# KiCad board OBC-Flight.kicad_pcb (continued)
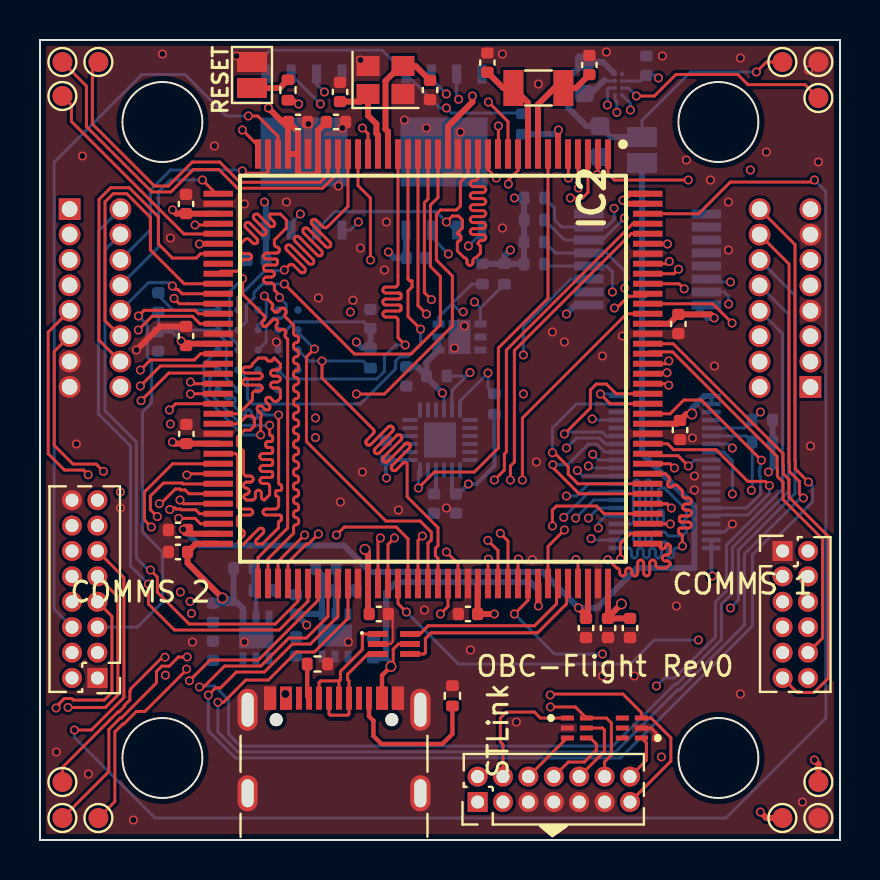
[diagram p0: board, top side]
## Routing (per net, layer and track width the routed paths; a pad name or vN(x,y) marks a point on that pad's centre or on a via; arc(x,y) is an arc through that point)
+1V8: length 101.2
  Top w0.3: IC2.39 7.31,31.31 C14.1 6.82,31.32 v1(6.63,31.51) ; IC2.108 C19.1 ; C19.1 28.4,11.13 v2(29.07,11.8) ; C19.1 C11.1 ; v1(25.92,35.5) 25.9,35.48 IC2.6 ; v2(9.12,12.1) 7.38,13.84 C17.1 7.79,14.81 IC2.72 ; v2(32.59,21.3) 32.32,21.3 C20.1 31.83,20.81 IC2.121 ; v1(6.62,19.9) 6.7,19.82 C16.1 8.9,19.82 IC2.62 ; v1(33.71,26.1) 33.53,26.28 C21.1 31.45,25.81 IC2.131 ; v1(21.62,37.2) 21.62,36.9 20.4,35.68 IC2.17 ; v1(11.42,36.6) 12.12,35.9 C13.1 ; IC2.144 29.46,32.31 v1(29.14,31.99) 29.32,31.81 IC2.143 ; IC2.32 12.9,33.31 12.94,33.27 12.95,33.27 12.96,33.26 13.78,33.26 13.9,33.38 IC2.30 13.9,35.48 C12.1 ; IC2.32 IC2.33 12.4,35.88 C13.1 ; IC2.32 12.9,35.42 C13.1 ; TP7.1 36.32,1.1 v1(36.02,1.4) ; v2(16.25,14.53) 16.4,14.38 IC2.84 16.4,11.36 C18.1 ; IC2.52 7.39,24.81 C15.1 7.07,24.95 v1(7.06,24.95)
  Bottom w0.15: C7.1 16.18,25.91 12.73,25.91 12.32,25.5 IC6.B4 ; v1(30.92,38.1) 30.78,38.24 C33.2 30.03,37.95 IC9.C2 ; v1(20.12,22.35) 20.2,22.27 IC4.22 ; v1(7.06,24.95) 6.61,25.4 C6.1 ; IC9.B1 28.42,37.6 28.37,37.55 v1(28.37,36.75) ; C6.1 5.92,25.42 C8.1 ; C6.1 6,25.5 IC6.E4 8.9,25.32 9.31,24.91 9.31,23.09 IC6.D1
  Bottom w0.2: v1(17.32,18.1) 17.3,18.12 C1.2 IC4.13 ; IC4.8 20.6,17.5 C2.2 20.92,17.3 v1(21.42,17.8) 21.82,17.8 22.72,18.7 R11.1 ; J1.38 J1.40
  Bottom w0.3: J1.40 33.22,22.2 32.59,21.57 v2(32.59,21.3) ; 9.88,11.84 C29.2 ; 9.88,11.84 10.15,11.57 IC8.1 ; 9.88,11.84 9.68,12.04 ; IC1.5 IC1.4 19.32,23.9 R12.1 ; 32.72,26.75 33.37,26.1 v1(33.71,26.1) ; v1(23.72,32.1) R1.1 24.21,29.91 R4.1 R3.1 24.19,28.81 R14.1 ; C7.1 R19.1 16.11,24.61 v1(15.82,24.9) ; R13.1 R14.1 ; R14.1 23.22,29.2 v1(23.52,29.5) ; R20.1 25.71,35.29 v1(25.92,35.5) ; R12.1 19.32,23.15 v1(20.12,22.35) ; R12.1 18.86,23.66 C4.1 ; 9.68,12.04 9.18,12.04 v2(9.12,12.1) ; 9.68,12.04 R7.1 ; v1(17.42,29.4) 17.72,29.1 C5.1 18.3,29.12 IC5.8 ; v1(26.32,26.3) 26.77,26.75 IC3.1 ; C26.1 11.29,29.01 IC7.8 11.29,31.83 v1(11.22,31.9) ; R15.1 R16.1 36.63,18.61 v1(36.42,18.4)
+3.3V: length 23.2
  Top w0.3: v1(22.72,11.3) C32.1 21.88,12.8 IC2.95 ; TP8.1 38.92,3.8 v1(38.72,4)
  In6.Cu w0.2: v1(33.62,13.2) 33.62,10.55 36.82,7.35 37.65,7.35 J3.12
  In6.Cu w0.3: v1(38.72,4) 38.4,4.32 J3.12
  Bottom w0.2: J1.4 33.57,13.25 v1(33.62,13.2)
  Bottom w0.3: v1(13.33,10.75) 13.33,10.77 C28.2 14.08,11.3 IC10.1 14.1,13.27 R9.1
GND: length 11.4
  Top w0.1: C18.2 17.63,11.08 17.63,9.9 17.54,9.8 IC13.2
  Top w0.15: IC12.2 30.55,5.6 30.82,5.32 v1(30.82,5.1)
  Top w0.3: v1(4.82,24.5) 6,25.68 C15.2
  Bottom w0.15: IC6.E5 6.65,26.5 5.92,27.23 C8.2 ; v1(34.62,15.8) 34.22,15.4 J1.6
  Bottom w0.3: IC6.B3 11.9,24.82 v1(11.82,24.9)
  vias: v1(0.82,4.4) v1(1.82,19.8) v1(2.12,34.2) v1(2.42,3.3) v1(4.02,16.6) v1(4.67,1) v1(6.12,39.3) v1(6.52,30.1) v1(7.62,9.9) v1(8.72,34.7) v1(9.82,39.2) v1(10.22,31.8) v1(10.22,9.9) v1(12.32,31.9) v1(13.42,35.8) v1(13.92,27.1) v1(14.92,32.7) v1(15.02,16.9) v1(15.12,35.6) v1(15.42,9.9) v1(15.65,26.99) v1(16.02,39) v1(16.02,29.6) v1(16.12,18.4) v1(17.22,28.5) v1(17.32,30.9) v1(17.92,16.5) v1(18.22,36) v1(19.22,11.5) v1(19.32,35.6) v1(20.32,16.6) v1(20.72,24.6) v1(21.02,35.4) v1(21.22,25.7) v1(21.52,9.5) v1(23.12,39.3) v1(23.12,30.6) v1(23.82,5.9) v1(24.62,14.01) v1(24.82,18.9) v1(24.92,37.8) v1(25.62,25.4) v1(26.22,24.9) v1(28.12,24.2) v1(28.12,8.2) v1(28.32,39.4) v1(29.12,25.2) v1(29.72,8.2) v1(31.12,39.2) v1(31.82,11.7) v1(32.32,34) v1(32.62,20.1) v1(32.72,18.2) v1(32.72,17.5) v1(33.52,33) v1(33.72,23.7) v1(34.42,31.9) v1(34.42,29.5) v1(35.02,39.1) v1(35.02,7.3) v1(36.32,34.4) v1(38.12,1.9) v1(38.42,38.5) v1(38.52,19.7) v1(38.92,33.9)
VBUS: length 18.2
  Top w0.15: IC13.5 17.92,9.8 17.66,9.54 17.66,8.79 v2(17.55,8.68)
  Top w0.22: J7.A9 17.1,8.23 v2(17.55,8.68) ; J7.A4 12.3,7.27 v2(12.27,7.3)
  Top w0.3: IC2.101 24.92,12.8 v1(24.92,11.7)
  Bottom w0.22: 17.31,9.09 17.55,8.85 v2(17.55,8.68)
  Bottom w0.3: v1(24.92,11.7) 24.92,12.5 24.52,12.9 17.82,12.9 17.31,12.39 17.31,9.09 R17.2
CAM2_STANDBY: length 51
  Top w0.15: v1(6.7,27.08) 6.97,26.81 IC2.48
  In3.Cu w0.15: v1(6.7,27.08) 5.5,25.88 5.5,18.88 v1(4.02,17.4)
  In5.Cu w0.15: v1(34.62,17.3) 34.02,16.7 32.42,16.7 31.82,17.3 30.42,17.3 27.62,14.5 27.47,14.5 26.97,15 24.04,15 23.24,15.8 19.06,15.8 17.91,14.65 16.83,14.65 16.38,15.1 16.04,15.1 15.44,14.5 11.07,14.5 8.07,17.5 4.12,17.5 v1(4.02,17.4)
  Bottom w0.15: v1(34.62,17.3) 34.62,18.96 34.18,19.4 J1.26
CAM_RESET: length 3.5
  Top w0.15: IC2.123 28.51,21.81 v1(28.02,22.3)
  Bottom w0.15: v1(28.02,22.3) 28.8,22.3 J1.39
CAM_STANDBY: length 17.9
  Top w0.15: v1(25.62,15.7) 25.62,16.5 25.82,16.7 27.82,16.7 28.21,16.31 IC2.112
  In5.Cu w0.15: v1(25.62,15.7) 25.62,16.2 26.12,16.7 28.76,16.7 31.66,19.6 v1(34.62,19.6)
  Bottom w0.15: v1(34.62,19.6) 34.42,19.8 J1.28
CAM_STROBE: length 9.3
  Top w0.15: IC2.114 26.95,17.31 25.64,18.62 v1(25.64,18.76)
  Bottom w0.15: v1(25.64,18.76) 26.38,18.76 27.42,19.8 27.85,19.8 28.25,19.4 J1.25
CAM_TRIGGER: length 10.6
  Top w0.15: v1(25.62,19.36) 25.71,19.36 26.41,18.66 26.41,18.29 26.89,17.81 IC2.115
  Bottom w0.15: J1.37 26.82,21.8 25.62,20.6 v1(25.62,19.36)
DCMI_D0: length 10.9
  Top w0.15: IC2.96 22.4,14.03 v1(22.42,14.05)
  In3.Cu w0.15: v1(22.42,14.05) 22.49,14.05 26.14,17.7 27.12,17.7 28.02,18.6 28.02,18.91 v1(27.64,19.29)
  Bottom w0.15: J1.23 27.93,19 v1(27.64,19.29)
DCMI_D1: length 10.9
  Top w0.15: v1(22.39,14.98) 22.9,14.47 IC2.97
  In3.Cu w0.15: v1(27.42,18.7) 27.12,19 26.52,19 23.32,15.8 22.84,15.8 22.42,15.38 22.42,15.01 v1(22.39,14.98)
  Bottom w0.15: J1.21 27.52,18.6 v1(27.42,18.7)
DCMI_D2: length 10
  Top w0.15: IC2.98 23.4,14.95 v1(23.01,15.34)
  In3.Cu w0.15: v1(26.86,18.48) 26.5,18.48 23.35,15.34 v1(23.01,15.34)
  Bottom w0.15: J1.19 27.14,18.2 v1(26.86,18.48)
DCMI_D3: length 8.2
  Top w0.15: v1(23.92,14.05) 23.9,14.03 IC2.99
  In3.Cu w0.15: v1(23.92,14.05) 23.92,14.8 v1(26.32,17.2)
  Bottom w0.15: J1.17 27.42,17.8 26.82,17.2 v1(26.32,17.2)
DCMI_D4: length 27.3
  Top w0.15: IC2.3 27.4,32.38 27.12,32.1 v1(26.52,32.1)
  In3.Cu w0.15: v1(26.52,32.1) 26.52,31.87 30.92,27.47 30.92,27.37 31.78,26.51 31.88,26.51 32.32,26.07 32.32,22.98 31.44,22.1 31.12,22.1 29.02,20 29.02,19.06 26.19,16.23 v1(26.19,16.13)
  Bottom w0.15: J1.15 27.45,17.4 v1(26.19,16.13)
DCMI_D5: length 12.5
  Top w0.15: IC2.117 31.51,18.81 v1(31.72,18.6)
  In3.Cu w0.15: v1(26.79,16.09) 26.79,15.03 27.32,14.5 28.02,14.5 30.42,16.9 30.42,18 31.02,18.6 v1(31.72,18.6)
  Bottom w0.15: v1(26.79,16.09) 27.69,17 J1.13
DCMI_D6: length 24.6
  Top w0.15: v1(26.92,32.6) 26.9,32.62 IC2.4
  In3.Cu w0.15: v1(27.42,16.1) 29.32,17.99 29.32,19.8 31.22,21.7 31.5,21.7 32.62,22.82 32.62,26.19 32,26.81 31.9,26.81 31.22,27.49 31.22,27.59 27.02,31.79 27.02,32.5 v1(26.92,32.6)
  Bottom w0.15: v1(27.42,16.1) 27.93,16.6 J1.11
DCMI_D7: length 25.5
  Top w0.15: v1(26.42,33.1) 26.42,34.28 IC2.5
  In3.Cu w0.15: v1(27.92,15.6) 27.92,16.1 29.62,17.8 29.62,19.6 31.42,21.4 31.72,21.4 32.92,22.6 32.92,26.31 32.13,27.11 32.03,27.11 31.52,27.61 31.52,27.71 27.42,31.81 27.42,32.8 27.12,33.1 v1(26.42,33.1)
  Bottom w0.15: J1.9 28.27,16.2 27.92,15.85 v1(27.92,15.6)
DCMI_D8: length 13.2
  Top w0.15: IC2.111 30.4,15.8 v1(31.52,15.8)
  Bottom w0.15: J1.7 29.52,15.8 arc(29.63,15.84) 29.67,15.95 29.67,17.85 arc(29.71,17.96) 29.82,18 arc(29.93,17.96) 29.97,17.85 29.97,15.95 arc(30.01,15.84) 30.12,15.8 arc(30.23,15.84) 30.27,15.95 30.27,17.85 arc(30.31,17.96) 30.42,18 arc(30.53,17.96) 30.57,17.85 30.57,15.95 arc(30.61,15.84) 30.72,15.8 arc(30.83,15.84) 30.87,15.95 30.87,16.35 arc(30.91,16.46) 31.02,16.5 arc(31.13,16.46) 31.17,16.35 31.17,15.95 arc(31.21,15.84) 31.32,15.8 v1(31.52,15.8)
DCMI_D9: length 10.8
  Top w0.15: v1(31.57,16.6) 31.36,16.81 IC2.113
  Bottom w0.15: v1(31.57,16.6) 31.37,16.8 31.12,16.8 30.92,17 30.92,17.5 31.02,17.6 31.22,17.6 32.32,16.5 32.32,16.1 32.12,15.9 32.12,15.8 32.32,15.6 32.32,15.4 32.12,15.2 31.42,15.2 31.22,15.4 30.72,15.4 arc(30.61,15.36) 30.57,15.25 30.57,15.05 arc(30.53,14.94) 30.42,14.9 arc(30.31,14.94) 30.27,15.05 30.27,15.25 arc(30.23,15.36) 30.12,15.4 arc(30.01,15.36) 29.97,15.25 29.97,15.05 arc(29.93,14.94) 29.82,14.9 arc(29.71,14.94) 29.67,15.05 29.67,15.25 arc(29.63,15.36) 29.52,15.4 J1.5
DCMI_D10: length 19.8
  Top w0.15: IC2.135 31.96,27.81 v1(32.21,27.56)
  In3.Cu w0.15: v1(32.21,27.56) 33.22,26.55 33.22,21.2 32.82,20.8 31.32,20.8 30.02,19.5 30.02,17 28.09,15.07 v1(27.55,15.07)
  Bottom w0.15: v1(27.55,15.07) 27.62,15 J1.3
DCMI_D11: length 14.8
  Top w0.15: IC2.116 31.28,18.31 31.45,18.14 arc(31.49,18.03) 31.45,17.93 31.41,17.89 arc(31.37,17.79) 31.41,17.68 arc(31.52,17.64) 31.63,17.68 31.66,17.71 arc(31.77,17.76) 31.87,17.71 32.12,17.47 32.12,17.25 arc(32.16,17.14) 32.27,17.1 32.42,17.1 arc(32.53,17.06) 32.57,16.95 arc(32.53,16.84) 32.42,16.8 32.27,16.8 arc(32.16,16.76) 32.12,16.65 arc(32.16,16.54) 32.27,16.5 32.42,16.5 arc(32.53,16.46) 32.57,16.35 arc(32.53,16.24) 32.42,16.2 32.05,16.2 arc(31.99,16.18) 31.97,16.12 31.97,15.97 arc(31.99,15.92) 32.05,15.9 32.42,15.9 arc(32.53,15.86) 32.57,15.75 arc(32.53,15.64) 32.42,15.6 32.02,15.6 arc(31.95,15.57) 31.92,15.5 31.92,15.4 arc(31.95,15.33) 32.02,15.3 arc(32.09,15.27) 32.12,15.2 v1(32.12,14.7)
  Bottom w0.15: J1.1 29.42,14.6 arc(29.53,14.56) 29.57,14.45 29.57,14.25 arc(29.61,14.14) 29.72,14.1 arc(29.83,14.14) 29.87,14.25 29.87,14.45 arc(29.91,14.56) 30.02,14.6 arc(30.13,14.56) 30.17,14.45 30.17,14.25 arc(30.21,14.14) 30.32,14.1 arc(30.43,14.14) 30.47,14.25 30.47,14.45 arc(30.51,14.56) 30.62,14.6 arc(30.73,14.56) 30.77,14.45 30.77,14.25 arc(30.81,14.14) 30.92,14.1 arc(31.03,14.14) 31.07,14.25 31.07,14.75 arc(31.11,14.86) 31.22,14.9 arc(31.33,14.86) 31.37,14.75 31.37,14.25 arc(31.41,14.14) 31.52,14.1 arc(31.63,14.14) 31.67,14.25 31.67,14.45 arc(31.71,14.56) 31.82,14.6 32.02,14.6 v1(32.12,14.7)
DCMI_HSYNC: length 34.7
  Top w0.15: IC2.40 8.85,30.75 v1(7.75,30.75)
  In3.Cu w0.15: v1(13.77,20.12) 11.96,20.12 11.34,19.5 9.2,19.5 6.32,22.38 6.32,24.63 6.31,24.64 6.31,25.63 7.52,26.84 7.52,30.52 v1(7.75,30.75)
  In5.Cu w0.15: v1(13.77,20.12) 14.08,19.81 26.11,19.81 v1(26.32,19.6)
  Bottom w0.15: v1(26.32,19.6) 26.82,20.1 27.97,20.1 28.27,19.8 J1.27
DCMI_PXCLK: length 32.8
  Top w0.15: IC2.42 7.98,29.81 v1(7.97,29.8)
  In3.Cu w0.15: v1(13.77,21.1) 12.52,21.1 11.22,19.8 9.32,19.8 6.62,22.5 6.62,24.76 6.61,24.77 6.61,25.14 7.97,26.5 7.97,29.8 v1(7.97,29.8)
  In5.Cu w0.15: v1(27.61,21.05) 13.82,21.05 v1(13.77,21.1)
  Bottom w0.15: J1.33 27.66,21 v1(27.61,21.05)
DCMI_VSYNC: length 8.7
  Top w0.15: IC2.124 28.81,22.31 28.32,22.8 27.82,22.8 27.52,22.5 27.52,21.6 v1(26.22,20.3)
  Bottom w0.15: v1(26.22,20.3) 26.32,20.4 28.09,20.4 28.29,20.2 J1.29
DRV ENABLE 1: length 28.4
  Top w0.15: IC2.77 12.9,11.94 11.76,10.8 7.46,10.8 5.87,12.39 5.87,13.15 v1(5.52,13.5)
  Bottom w0.15: v1(5.52,13.5) 5.42,13.5 4.82,14.1 4.82,19.9 3.25,21.47 3.25,29.51 4.02,30.27
DRV ENABLE 2: length 31.2
  Top w0.15: IC2.78 13.4,11.94 11.96,10.5 6.72,10.5 5.42,11.8 v1(5.42,12.8)
  Bottom w0.15: v1(5.42,12.8) 4.52,13.7 4.52,19.7 2.92,21.3 2.92,30.45 J5.02
DRV ENABLE 3: length 56.8
  Top w0.15: IC2.79 13.9,11.98 10.92,9 8.51,9 v1(7.47,7.96)
  In5.Cu w0.15: v1(30.82,7.7) 24.72,7.7 22.26,5.24 9.75,5.24 7.47,7.52 v1(7.47,7.96)
  Bottom w0.15: v1(30.82,7.7) 31.22,8.1 31.72,8.1 33.77,10.15 33.77,11.91 34.32,12.46 34.32,14.75 37.13,17.55 37.13,25.31 J8.08
DRV ENABLE 4: length 59.8
  Top w0.15: IC2.80 14.4,11.18 13.32,10.1 12.44,10.1 11.04,8.7 9.23,8.7 8.18,7.65 v1(7.97,7.65)
  Bottom w0.15: J8.10 37.42,26.29 37.42,17.43 34.62,14.62 34.62,12.34 34.07,11.79 34.07,10.03 31.84,7.8 31.74,7.8 28.64,4.7 10.02,4.7 9.42,5.3 9.42,7 8.72,7.7 8.02,7.7 v1(7.97,7.65)
DRV ENABLE 5: length 39.5
  Top w0.15: IC2.87 17.9,11.82 v1(18.32,11.4)
  In3.Cu w0.15: v1(32.92,10) v1(34.52,11.6)
  Bottom w0.15: v1(18.32,11.4) 20.92,8.8 29.52,8.8 30.72,10 v1(32.92,10) ; J8.12 37.75,27.23 37.75,17.33 34.92,14.5 34.92,12 v1(34.52,11.6)
FUEL_ALERT: length 41.3
  Top w0.15: IC2.50 7.99,25.81 7.62,26.18 5.6,26.18 v1(4.92,25.5)
  In1.Cu w0.15: v1(15.52,26.4) 14.62,25.5 v1(4.92,25.5)
  In5.Cu w0.15: J8.15 37.62,32.44 33.08,32.44 33.02,32.5 32.96,32.44 28.08,32.44 24.04,28.4 18.92,28.4 16.92,26.4 v1(15.52,26.4)
GPS_RST: length 3.6
  Top w0.15: v1(32.42,18.7) 31.9,19.22 30.48,19.22 IC2.118
  Bottom w0.15: J1.24 32.72,19 v1(32.42,18.7)
I2C1_SCL: length 25.7
  Top w0.15: v1(31.37,29.8) 31.36,29.81 IC2.139
  In3.Cu w0.15: v1(31.37,29.8) 31.52,29.95 31.52,33.7 v1(28.84,36.38)
  In5.Cu w0.15: v1(31.37,29.8) 28.05,29.8 21.63,23.37 v1(21.5,23.37)
  Bottom w0.15: R12.2 21.33,23.2 v1(21.5,23.37) 20.6,22.47 IC4.23 ; IC9.A1 28.75,37.01 28.84,36.91 v1(28.84,36.38)
I2C1_SDA: length 25.8
  Top w0.15: IC2.137 31.35,28.81 v1(31.47,28.93)
  In3.Cu w0.15: v1(31.47,28.93) 31.82,29.28 31.82,34.2 v1(29.52,36.5)
  In5.Cu w0.15: v1(31.47,28.93) 27.75,28.93 22.42,23.6 22.42,23.37 v1(22.4,23.35)
  Bottom w0.15: v1(29.52,36.5) 29.52,36.83 IC9.A2 ; R11.2 22.4,22.63 v1(22.4,23.35) 21,21.95 IC4.24
I2C2_SCL: length 43.3
  Top w0.15: IC2.69 7.98,16.31 7.78,16.51 7.06,16.51 7.02,16.55 6.81,16.55 6.76,16.6 6.57,16.6 v1(6.49,16.52)
  In5.Cu w0.15: v1(36.02,21.4) 35.12,20.5 35.12,15.6 33.82,14.3 32.97,14.3 32.67,14 29.72,14 29.19,14.53 28.28,14.53 27.74,14 27.54,14 27.04,14.5 21.67,14.5 21.02,15.15 19.91,15.15 18.76,14 10.52,14 7.97,16.55 6.52,16.55 v1(6.49,16.52)
  Bottom w0.15: v1(36.02,21.4) 36.01,21.4 R15.2 35.21,20.6 J1.32
I2C2_SDA: length 40.3
  Top w0.15: IC2.70 8.02,15.81 7.75,16.08 v1(6.93,16.08)
  In5.Cu w0.15: v1(35.57,17.48) 35.57,15.55 34.02,14 33.1,14 32.66,13.56 22.18,13.56 21.14,14.6 20.76,14.6 20.51,14.85 20.03,14.85 19.77,14.59 19.77,14.21 19.79,14.19 19.3,13.7 10.12,13.7 7.74,16.08 v1(6.93,16.08)
  Bottom w0.15: J1.30 35.31,20.2 R16.2 35.61,17.52 v1(35.57,17.48)
I2C4_SCL: length 52.8
  Top w0.15: IC2.54 8.8,23.7 6.02,23.7 v1(5.02,22.7)
  In3.Cu w0.15: v1(5.02,22.7) 5.02,22.57 4.52,22.07 4.52,19.1 3.14,17.71 1.3,17.71 0.88,17.29 0.88,16.53 1.6,15.81 J4.14
  In5.Cu w0.15: v1(5.02,22.7) 5.97,23.65 7.87,23.65 8.12,23.4 17.62,23.4 18.71,24.49 18.71,24.59 21.02,26.9 v1(21.72,26.9) 24.22,26.9 27.92,30.6 31.72,30.6 34.42,27.9 v1(34.52,27.9)
  Bottom w0.15: 22.02,26.59 22.02,26.6 v1(21.72,26.9) ; 22.02,26.59 R14.2 ; 22.02,26.59 IC1.1 ; v1(34.52,27.9) 33.47,27.9 IC3.14
I2C4_SDA: length 50.7
  Top w0.15: v1(5.05,21.97) 6.44,23.35 8.87,23.35 IC2.55
  In3.Cu w0.15: v1(5.05,21.97) 5.02,21.93 5.02,19.14 J4.15
  In5.Cu w0.15: v1(5.05,21.97) 6.44,23.35 7.75,23.35 8,23.1 17.86,23.1 v1(21.16,26.41) 24.23,26.41 28.12,30.3 31.51,30.3 34.07,27.74 34.07,27.16 v1(34.43,26.8)
  Bottom w0.15: 20.61,26.81 19.92,26.12 IC1.6 ; 20.61,26.81 21.59,27.79 R13.2 ; 20.61,26.81 21.01,26.41 v1(21.16,26.41) ; IC3.15 34.21,27.4 34.43,27.18 v1(34.43,26.8)
JTDI: length 30
  Top w0.15: v1(29.02,14.05) 29.02,14.83 29.5,15.31 IC2.110 ; J2.10 28.22,4.43 28.22,5.5 28.12,5.6 IC11.5
  In3.Cu w0.15: J2.10 26.96,3.9 arc(27,4.01) 27.11,4.05 27.31,4.05 arc(27.42,4.09) 27.46,4.2 arc(27.42,4.31) 27.31,4.35 26.61,4.35 arc(26.5,4.39) 26.46,4.5 arc(26.5,4.61) 26.61,4.65 27.31,4.65 arc(27.42,4.69) 27.46,4.8 arc(27.42,4.91) 27.31,4.95 26.81,4.95 arc(26.7,4.99) 26.66,5.1 arc(26.7,5.21) 26.81,5.25 27.31,5.25 arc(27.42,5.29) 27.46,5.4 arc(27.42,5.51) 27.31,5.55 26.86,5.55 arc(26.79,5.58) 26.76,5.65 26.76,5.75 arc(26.79,5.82) 26.86,5.85 27.31,5.85 arc(27.42,5.89) 27.46,6 arc(27.42,6.11) 27.31,6.15 26.86,6.15 arc(26.79,6.18) 26.76,6.25 26.76,6.35 arc(26.79,6.42) 26.86,6.45 27.31,6.45 arc(27.42,6.49) 27.46,6.6 arc(27.42,6.71) 27.31,6.75 26.86,6.75 arc(26.79,6.78) 26.76,6.85 26.76,6.95 arc(26.79,7.02) 26.86,7.05 27.31,7.05 arc(27.42,7.09) 27.46,7.2 arc(27.42,7.31) 27.31,7.35 26.86,7.35 arc(26.79,7.38) 26.76,7.45 26.76,7.55 arc(26.79,7.62) 26.86,7.65 27.31,7.65 arc(27.42,7.69) 27.46,7.8 arc(27.42,7.91) 27.31,7.95 26.86,7.95 arc(26.79,7.98) 26.76,8.05 26.76,8.15 arc(26.79,8.22) 26.86,8.25 27.31,8.25 arc(27.42,8.29) 27.46,8.4 arc(27.42,8.51) 27.31,8.55 26.86,8.55 arc(26.79,8.58) 26.76,8.65 26.76,8.75 arc(26.79,8.82) 26.86,8.85 27.31,8.85 arc(27.42,8.89) 27.46,9 arc(27.42,9.11) 27.31,9.15 26.86,9.15 arc(26.79,9.18) 26.76,9.25 26.76,9.35 arc(26.79,9.42) 26.86,9.45 27.31,9.45 arc(27.42,9.49) 27.46,9.6 arc(27.42,9.71) 27.31,9.75 27.11,9.75 arc(27,9.79) 26.96,9.9 26.96,10.42 29.02,12.48 v1(29.02,14.05)
MCU ENABLE 1: length 9
  Top w0.15: v1(8.12,33) 8.81,32.31 IC2.37
  Bottom w0.15: 4.02,27.73 5.92,29.63 5.92,32.4 6.52,33 v1(8.12,33)
MCU ENABLE 2: length 11.4
  Top w0.15: IC2.35 11.4,33.41 11.33,33.34 10.24,33.34 v1(10.12,33.46)
  Bottom w0.15: J5.06 5.52,30.5 5.52,32.5 6.52,33.5 10.07,33.5 v1(10.12,33.46)
MPPT ENABLE : length 30.3
  Top w0.15: v1(14.82,15.25) 15.22,15.65 17.81,15.65 18.4,15.06 IC2.88 ; v1(2.41,18.26) 2.17,18.5 1.22,18.5 0.41,19.31 0.41,25.4 J5.09
  In5.Cu w0.15: v1(14.82,15.25) 14.37,14.8 11.2,14.8 8.19,17.8 7.16,17.8 7.06,17.9 2.77,17.9 v1(2.41,18.26)
MPU_INT: length 21.5
  Top w0.15: IC2.7 25.4,27.08 22.92,24.6 22.92,19.6 21.72,18.4 19.72,18.4 v1(18.92,17.6)
  Bottom w0.15: v1(18.92,17.6) 18.92,18.42 IC4.12
MUX_RESET: length 20.3
  Top w0.15: IC2.89 18.9,14.98 v1(19.12,15.2)
  In3.Cu w0.15: v1(24.17,24.25) 24.62,23.8 24.62,22.1 22.22,19.7 22.22,17.2 20.22,15.2 v1(19.12,15.2)
  Bottom w0.15: IC3.3 26.56,28.05 24.17,25.66 v1(24.17,24.25)
NRST: length 65.7
  Top w0.15: J2.12 28.23,3.91 28.57,4.25 28.57,5.85 28.32,6.1 IC11.6 26.77,6.65 v1(25.52,6.65) ; IC2.25 16.4,35.32 v1(16.12,35.6) ; R18.1 12.74,36.99 v1(12.93,36.8)
  In3.Cu w0.15: v1(6.27,8.24) 4.92,9.59 4.92,17.8 6.01,18.89 6.01,25.75 7.15,26.89 7.15,31.13 12.83,36.8 v1(12.93,36.8) 13.43,36.3 15.42,36.3 v1(16.12,35.6)
  In5.Cu w0.15: v1(6.27,8.24) 9.57,4.94 22.38,4.94 22.68,5.24 24.11,5.24 v1(25.52,6.65)
OCTOSPI_P1_CLK: length 21.9
  Top w0.15: v1(18.26,24.75) 17.9,25.11 17.9,26 arc(17.86,26.11) 17.75,26.15 17.29,26.15 arc(17.18,26.19) 17.14,26.3 arc(17.18,26.41) 17.29,26.45 17.98,26.45 arc(18.03,26.47) 18.05,26.53 18.05,26.67 arc(18.03,26.73) 17.98,26.75 17.29,26.75 arc(17.18,26.79) 17.14,26.9 arc(17.18,27.01) 17.29,27.05 17.98,27.05 arc(18.03,27.07) 18.05,27.13 18.05,27.27 arc(18.03,27.33) 17.98,27.35 17.29,27.35 arc(17.18,27.39) 17.14,27.5 arc(17.18,27.61) 17.29,27.65 17.75,27.65 arc(17.86,27.69) 17.9,27.8 IC2.22
  Bottom w0.15: IC6.B2 12.35,23.05 16.85,23.05 17.22,23.42 17.22,24.2 17.77,24.75 v1(18.26,24.75)
OCTOSPI_P1_DQS: length 22.1
  Top w0.15: IC2.45 9.04,28.44 9.87,28.44 10.04,28.6 10.04,28.87 arc(10.08,28.97) 10.19,29.02 10.43,29.02 arc(10.54,29.06) 10.58,29.17 arc(10.54,29.27) 10.43,29.32 10.19,29.32 arc(10.08,29.36) 10.04,29.47 10.04,29.82 10.25,30.03 arc(10.35,30.07) 10.46,30.03 10.63,29.85 arc(10.74,29.81) 10.85,29.85 arc(10.89,29.96) 10.85,30.07 10.29,30.63 arc(10.24,30.73) 10.29,30.84 arc(10.39,30.88) 10.5,30.84 11.06,30.28 arc(11.16,30.23) 11.27,30.28 arc(11.31,30.38) 11.27,30.49 10.71,31.05 arc(10.67,31.16) 10.71,31.26 arc(10.82,31.31) 10.92,31.26 11.48,30.7 arc(11.59,30.66) 11.69,30.7 arc(11.74,30.81) 11.69,30.91 11.52,31.09 arc(11.48,31.19) 11.52,31.3 12.02,31.3 12.32,31 12.32,30.6 11.72,30 11.72,29.77 arc(11.76,29.69) 11.84,29.65 arc(11.93,29.61) 11.96,29.53 11.96,29.47 arc(11.93,29.39) 11.84,29.35 11.32,29.35 arc(11.22,29.31) 11.17,29.2 arc(11.22,29.09) 11.32,29.05 11.8,29.05 arc(11.85,29.03) 11.87,28.97 11.87,28.82 arc(11.85,28.77) 11.8,28.75 11.32,28.75 arc(11.22,28.71) 11.17,28.6 arc(11.22,28.49) 11.32,28.45 11.57,28.45 arc(11.68,28.41) 11.72,28.3 arc(11.68,28.19) 11.57,28.15 11.32,28.15 arc(11.22,28.11) 11.17,28 arc(11.22,27.89) 11.32,27.85 11.57,27.85 arc(11.68,27.81) 11.72,27.7 11.72,27.5 11.97,27.25 v1(11.97,27.13)
  Bottom w0.15: IC6.C3 11.31,24.91 11.31,25.74 11.66,26.09 12.07,26.09 12.31,26.33 12.31,26.79 v1(11.97,27.13)
OCTOSPI_P1_IO0: length 22.1
  Top w0.15: IC2.73 10.9,14.12 12.38,15.6 12.38,25.04 12.27,25.15 arc(12.24,25.23) 12.27,25.3 arc(12.3,25.38) 12.27,25.45 12.21,25.51 arc(12.13,25.55) 12.06,25.51 arc(11.98,25.48) 11.91,25.51 11.85,25.57 arc(11.8,25.68) 11.85,25.79 11.85,25.79 arc(11.89,25.89) 11.85,26 arc(11.74,26.04) 11.63,26 11.35,25.71 arc(11.24,25.67) 11.14,25.71 arc(11.09,25.82) 11.14,25.93 11.21,26 arc(11.25,26.1) 11.21,26.21 10.13,27.29 v1(10.13,28.07)
  Bottom w0.15: v1(10.13,28.07) 9.49,27.43 9.49,25.17 9.9,24.76 IC6.D3
OCTOSPI_P1_IO1: length 21.9
  Top w0.15: v1(19.03,25.55) 18.4,26.18 18.4,27.45 18.6,27.65 18.6,27.95 18.55,27.95 18.52,27.95 18.47,27.97 18.42,28.02 18.4,28.07 18.4,28.1 IC2.21
  Bottom w0.15: v1(19.03,25.55) 19.03,24.81 18.38,24.16 18,24.16 17.79,23.95 17.79,23.56 16.02,21.8 10.62,21.8 10.37,22.05 10.37,23.03 IC6.D2
OCTOSPI_P1_IO2: length 22
  Top w0.15: IC2.74 11.4,14.06 12.68,15.34 12.68,15.64 arc(12.72,15.73) 12.81,15.76 arc(12.89,15.8) 12.93,15.89 12.93,15.99 arc(12.89,16.08) 12.81,16.11 arc(12.72,16.15) 12.68,16.24 12.68,16.34 arc(12.72,16.43) 12.81,16.46 arc(12.89,16.5) 12.93,16.59 12.93,16.69 arc(12.89,16.78) 12.81,16.81 arc(12.72,16.85) 12.68,16.94 12.68,17.04 arc(12.72,17.13) 12.81,17.16 arc(12.89,17.2) 12.93,17.29 12.93,17.39 arc(12.89,17.48) 12.81,17.51 arc(12.72,17.55) 12.68,17.64 12.68,17.74 arc(12.72,17.83) 12.81,17.86 arc(12.89,17.9) 12.93,17.99 12.93,18.09 arc(12.89,18.18) 12.81,18.21 arc(12.72,18.25) 12.68,18.34 12.68,18.44 arc(12.72,18.53) 12.81,18.56 arc(12.89,18.6) 12.93,18.69 12.93,18.79 arc(12.89,18.88) 12.81,18.91 arc(12.72,18.95) 12.68,19.04 12.68,19.14 arc(12.72,19.23) 12.81,19.26 arc(12.89,19.3) 12.93,19.39 12.93,19.49 arc(12.89,19.58) 12.81,19.61 arc(12.72,19.65) 12.68,19.74 12.68,19.84 arc(12.72,19.93) 12.81,19.96 arc(12.89,20) 12.93,20.09 12.93,20.19 arc(12.89,20.28) 12.81,20.31 arc(12.72,20.35) 12.68,20.44 12.68,20.54 arc(12.72,20.63) 12.81,20.66 arc(12.89,20.7) 12.93,20.79 12.93,20.89 arc(12.89,20.98) 12.81,21.01 arc(12.72,21.05) 12.68,21.14 12.68,21.24 arc(12.72,21.33) 12.81,21.36 arc(12.89,21.4) 12.93,21.49 12.93,21.59 arc(12.89,21.68) 12.81,21.71 arc(12.72,21.75) 12.68,21.84 12.68,21.94 arc(12.72,22.03) 12.81,22.06 arc(12.89,22.1) 12.93,22.19 12.93,22.29 arc(12.89,22.38) 12.81,22.41 arc(12.72,22.45) 12.68,22.54 12.68,22.64 arc(12.72,22.73) 12.81,22.76 arc(12.89,22.8) 12.93,22.89 12.93,22.99 arc(12.89,23.08) 12.81,23.11 arc(12.72,23.15) 12.68,23.24 12.68,23.34 arc(12.72,23.43) 12.81,23.46 arc(12.89,23.5) 12.93,23.59 12.93,23.69 arc(12.89,23.78) 12.81,23.81 arc(12.72,23.85) 12.68,23.94 12.68,24.04 arc(12.72,24.13) 12.81,24.16 arc(12.89,24.2) 12.93,24.29 12.93,24.39 arc(12.89,24.48) 12.81,24.51 arc(12.72,24.55) 12.68,24.64 12.68,24.74 arc(12.72,24.83) 12.81,24.86 arc(12.89,24.9) 12.93,24.99 12.93,25.09 arc(12.89,25.18) 12.81,25.21 arc(12.72,25.25) 12.68,25.34 12.68,25.74 12.27,26.15 arc(12.24,26.23) 12.27,26.32 arc(12.31,26.41) 12.27,26.5 12.2,26.57 arc(12.11,26.61) 12.03,26.57 11.87,26.41 arc(11.8,26.38) 11.73,26.41 11.62,26.52 arc(11.59,26.59) 11.62,26.66 arc(11.65,26.73) 11.62,26.8 v1(11.22,27.2)
  Bottom w0.15: v1(11.22,27.2) 11.31,27.11 11.31,26.17 10.9,25.76 IC6.C4
OCTOSPI_P1_IO3: length 22.7
  Top w0.15: IC2.18 19.9,32.13 19.52,31.75 19.52,28.68 20.02,28.18 20.02,25.76 18.56,24.3 15.72,24.3 v1(12.22,27.8)
  Bottom w0.15: IC6.D4 10.31,25.91 10.31,26.74 10.71,27.13 10.71,27.39 11.12,27.8 v1(12.22,27.8)
OCTOSPI_P1_IO4: length 22.1
  Top w0.15: IC2.27 15.4,31.68 14.37,30.65 arc(14.26,30.61) 14.16,30.65 13.81,30.99 arc(13.71,31.04) 13.6,30.99 arc(13.56,30.89) 13.6,30.78 14.5,29.88 arc(14.55,29.78) 14.5,29.67 arc(14.4,29.63) 14.29,29.67 13.39,30.57 arc(13.28,30.61) 13.18,30.57 arc(13.13,30.46) 13.18,30.36 14.08,29.46 arc(14.12,29.35) 14.08,29.25 arc(13.97,29.2) 13.87,29.25 12.97,30.15 arc(12.86,30.19) 12.75,30.15 arc(12.71,30.04) 12.75,29.93 13.65,29.03 arc(13.7,28.93) 13.65,28.82 arc(13.55,28.78) 13.44,28.82 12.54,29.72 arc(12.44,29.76) 12.33,29.72 arc(12.29,29.61) 12.33,29.51 13.23,28.61 arc(13.27,28.5) 13.23,28.4 arc(13.12,28.35) 13.02,28.4 12.67,28.74 arc(12.57,28.78) 12.46,28.74 v1(12.22,28.5)
  Bottom w0.15: IC6.D5 9.9,27.13 11.23,28.46 12.19,28.46 v1(12.22,28.5)
OCTOSPI_P1_IO5: length 22.1
  Top w0.15: v1(11.03,20.25) 11.03,21.11 arc(11.08,21.22) 11.03,21.32 10.89,21.46 arc(10.85,21.57) 10.89,21.68 arc(11,21.72) 11.11,21.68 11.24,21.54 arc(11.35,21.49) 11.46,21.54 arc(11.5,21.64) 11.46,21.75 11.32,21.89 arc(11.27,21.99) 11.32,22.1 arc(11.42,22.14) 11.53,22.1 11.67,21.96 arc(11.78,21.92) 11.88,21.96 12.02,22.1 12.02,22.45 arc(11.98,22.56) 11.87,22.6 11.67,22.6 arc(11.57,22.64) 11.52,22.75 arc(11.57,22.86) 11.67,22.9 11.87,22.9 arc(11.98,22.94) 12.02,23.05 arc(11.98,23.16) 11.87,23.2 11.67,23.2 arc(11.57,23.24) 11.52,23.35 arc(11.57,23.46) 11.67,23.5 11.87,23.5 arc(11.98,23.54) 12.02,23.65 12.02,23.8 11.72,24.1 arc(11.67,24.08) 11.65,24.02 arc(11.62,23.97) 11.57,23.95 11.42,23.95 arc(11.37,23.97) 11.34,24.02 arc(11.32,24.08) 11.27,24.1 10.92,24.1 10.62,23.8 arc(10.58,23.69) 10.47,23.65 10.28,23.65 arc(10.17,23.61) 10.13,23.5 arc(10.17,23.39) 10.28,23.35 10.96,23.35 arc(11.07,23.31) 11.11,23.2 arc(11.07,23.09) 10.96,23.05 10.28,23.05 arc(10.17,23.01) 10.13,22.9 arc(10.17,22.79) 10.28,22.75 10.96,22.75 arc(11.07,22.71) 11.11,22.6 arc(11.07,22.49) 10.96,22.45 10.77,22.45 arc(10.66,22.41) 10.62,22.3 10.62,22 9.93,21.31 IC2.59
  Bottom w0.15: v1(11.03,20.25) 10.14,20.25 8.19,22.21 8.19,23.79 IC6.E3
OCTOSPI_P1_IO6: length 22.1
  Top w0.15: IC2.60 9.93,20.81 10.32,21.2 10.62,21.2 10.72,21.1 10.72,20.7 10.52,20.5 10.22,20.5 9.87,20.15 9.87,19.75 10.17,19.45 10.17,18.35 arc(10.22,18.24) 10.32,18.2 10.52,18.2 arc(10.62,18.15) 10.67,18.05 arc(10.62,17.94) 10.52,17.9 10.32,17.9 arc(10.22,17.85) 10.17,17.75 10.17,17.73 arc(10.22,17.63) 10.32,17.59 arc(10.42,17.55) 10.46,17.45 10.46,17.43 arc(10.42,17.33) 10.32,17.29 arc(10.22,17.25) 10.17,17.15 10.32,17 10.62,17 arc(10.73,17.04) 10.77,17.15 10.77,17.34 arc(10.81,17.45) 10.92,17.49 arc(11.03,17.45) 11.07,17.34 11.07,17.15 arc(11.11,17.04) 11.22,17 11.48,17.26 11.48,17.67 arc(11.44,17.78) 11.33,17.82 11.14,17.82 arc(11.03,17.87) 10.99,17.97 arc(11.03,18.08) 11.14,18.12 11.56,18.12 arc(11.61,18.15) 11.63,18.2 11.63,18.35 arc(11.61,18.4) 11.56,18.42 11.14,18.42 arc(11.03,18.47) 10.99,18.57 arc(11.03,18.68) 11.14,18.72 11.56,18.72 arc(11.61,18.75) 11.63,18.8 11.63,18.95 arc(11.61,19) 11.56,19.02 11.14,19.02 arc(11.03,19.07) 10.99,19.17 arc(11.03,19.28) 11.14,19.32 11.56,19.32 arc(11.61,19.35) 11.63,19.4 11.63,19.55 arc(11.61,19.6) 11.56,19.62 11.39,19.62 arc(11.32,19.65) 11.29,19.72 11.29,19.83 arc(11.32,19.9) 11.39,19.92 11.56,19.92 arc(11.61,19.95) 11.63,20 11.63,20.15 arc(11.61,20.2) 11.56,20.22 arc(11.5,20.25) 11.48,20.3 v1(11.48,20.74)
  Bottom w0.15: IC6.E2 8.49,23.09 8.49,22.33 10.08,20.74 v1(11.48,20.74)
OCTOSPI_P1_IO7: length 23.3
  Top w0.15: IC2.63 9.8,19.31 9.87,19.24 9.87,16.7 arc(9.92,16.59) 10.02,16.55 10.49,16.55 arc(10.59,16.5) 10.64,16.4 arc(10.59,16.29) 10.49,16.25 10.02,16.25 arc(9.92,16.2) 9.87,16.1 9.87,15.75 10.18,15.44 arc(10.23,15.33) 10.18,15.22 9.96,15 arc(9.92,14.9) 9.96,14.79 arc(10.07,14.75) 10.17,14.79 10.94,15.55 arc(11.04,15.6) 11.15,15.55 arc(11.19,15.45) 11.15,15.34 10.82,15.01 arc(10.78,14.91) 10.82,14.8 11.12,14.8 11.92,15.6 11.92,15.88 arc(11.94,15.93) 11.99,15.95 arc(12.05,15.97) 12.07,16.02 12.07,16.17 arc(12.05,16.23) 11.99,16.25 11.3,16.25 arc(11.19,16.29) 11.15,16.4 arc(11.19,16.51) 11.3,16.55 11.77,16.55 arc(11.88,16.59) 11.92,16.7 11.93,16.71 11.93,17.1 arc(11.91,17.15) 11.86,17.17 arc(11.8,17.2) 11.78,17.25 11.78,17.4 arc(11.8,17.45) 11.86,17.47 12.01,17.47 arc(12.06,17.5) 12.08,17.55 12.08,17.7 arc(12.06,17.75) 12.01,17.77 arc(11.95,17.8) 11.93,17.85 v1(11.93,21.25)
  Bottom w0.15: v1(11.93,21.25) 11.27,21.25 arc(11.2,21.28) 11.17,21.35 arc(11.14,21.42) 11.07,21.45 10.97,21.45 arc(10.9,21.42) 10.87,21.35 10.87,21.15 arc(10.84,21.08) 10.77,21.05 10.67,21.05 arc(10.6,21.08) 10.57,21.15 10.57,21.38 arc(10.54,21.47) 10.45,21.5 10.4,21.5 arc(10.31,21.47) 10.27,21.38 arc(10.24,21.29) 10.15,21.25 9.73,21.67 arc(9.69,21.77) 9.73,21.88 arc(9.78,21.98) 9.73,22.09 arc(9.63,22.13) 9.52,22.09 arc(9.42,22.05) 9.31,22.09 IC6.E1
